# Altium PCB INC-IO1616001.PcbDoc (part 2 of 2)
Units mil, origin at the board's own origin, x right, y up, seen from the top; angles counter-clockwise.
Board outline 4955.49 x 3110.17 mil, 2 copper layers (Top Layer, Bottom Layer); 184 components, 159 nets, 570 pads, 122 vias.
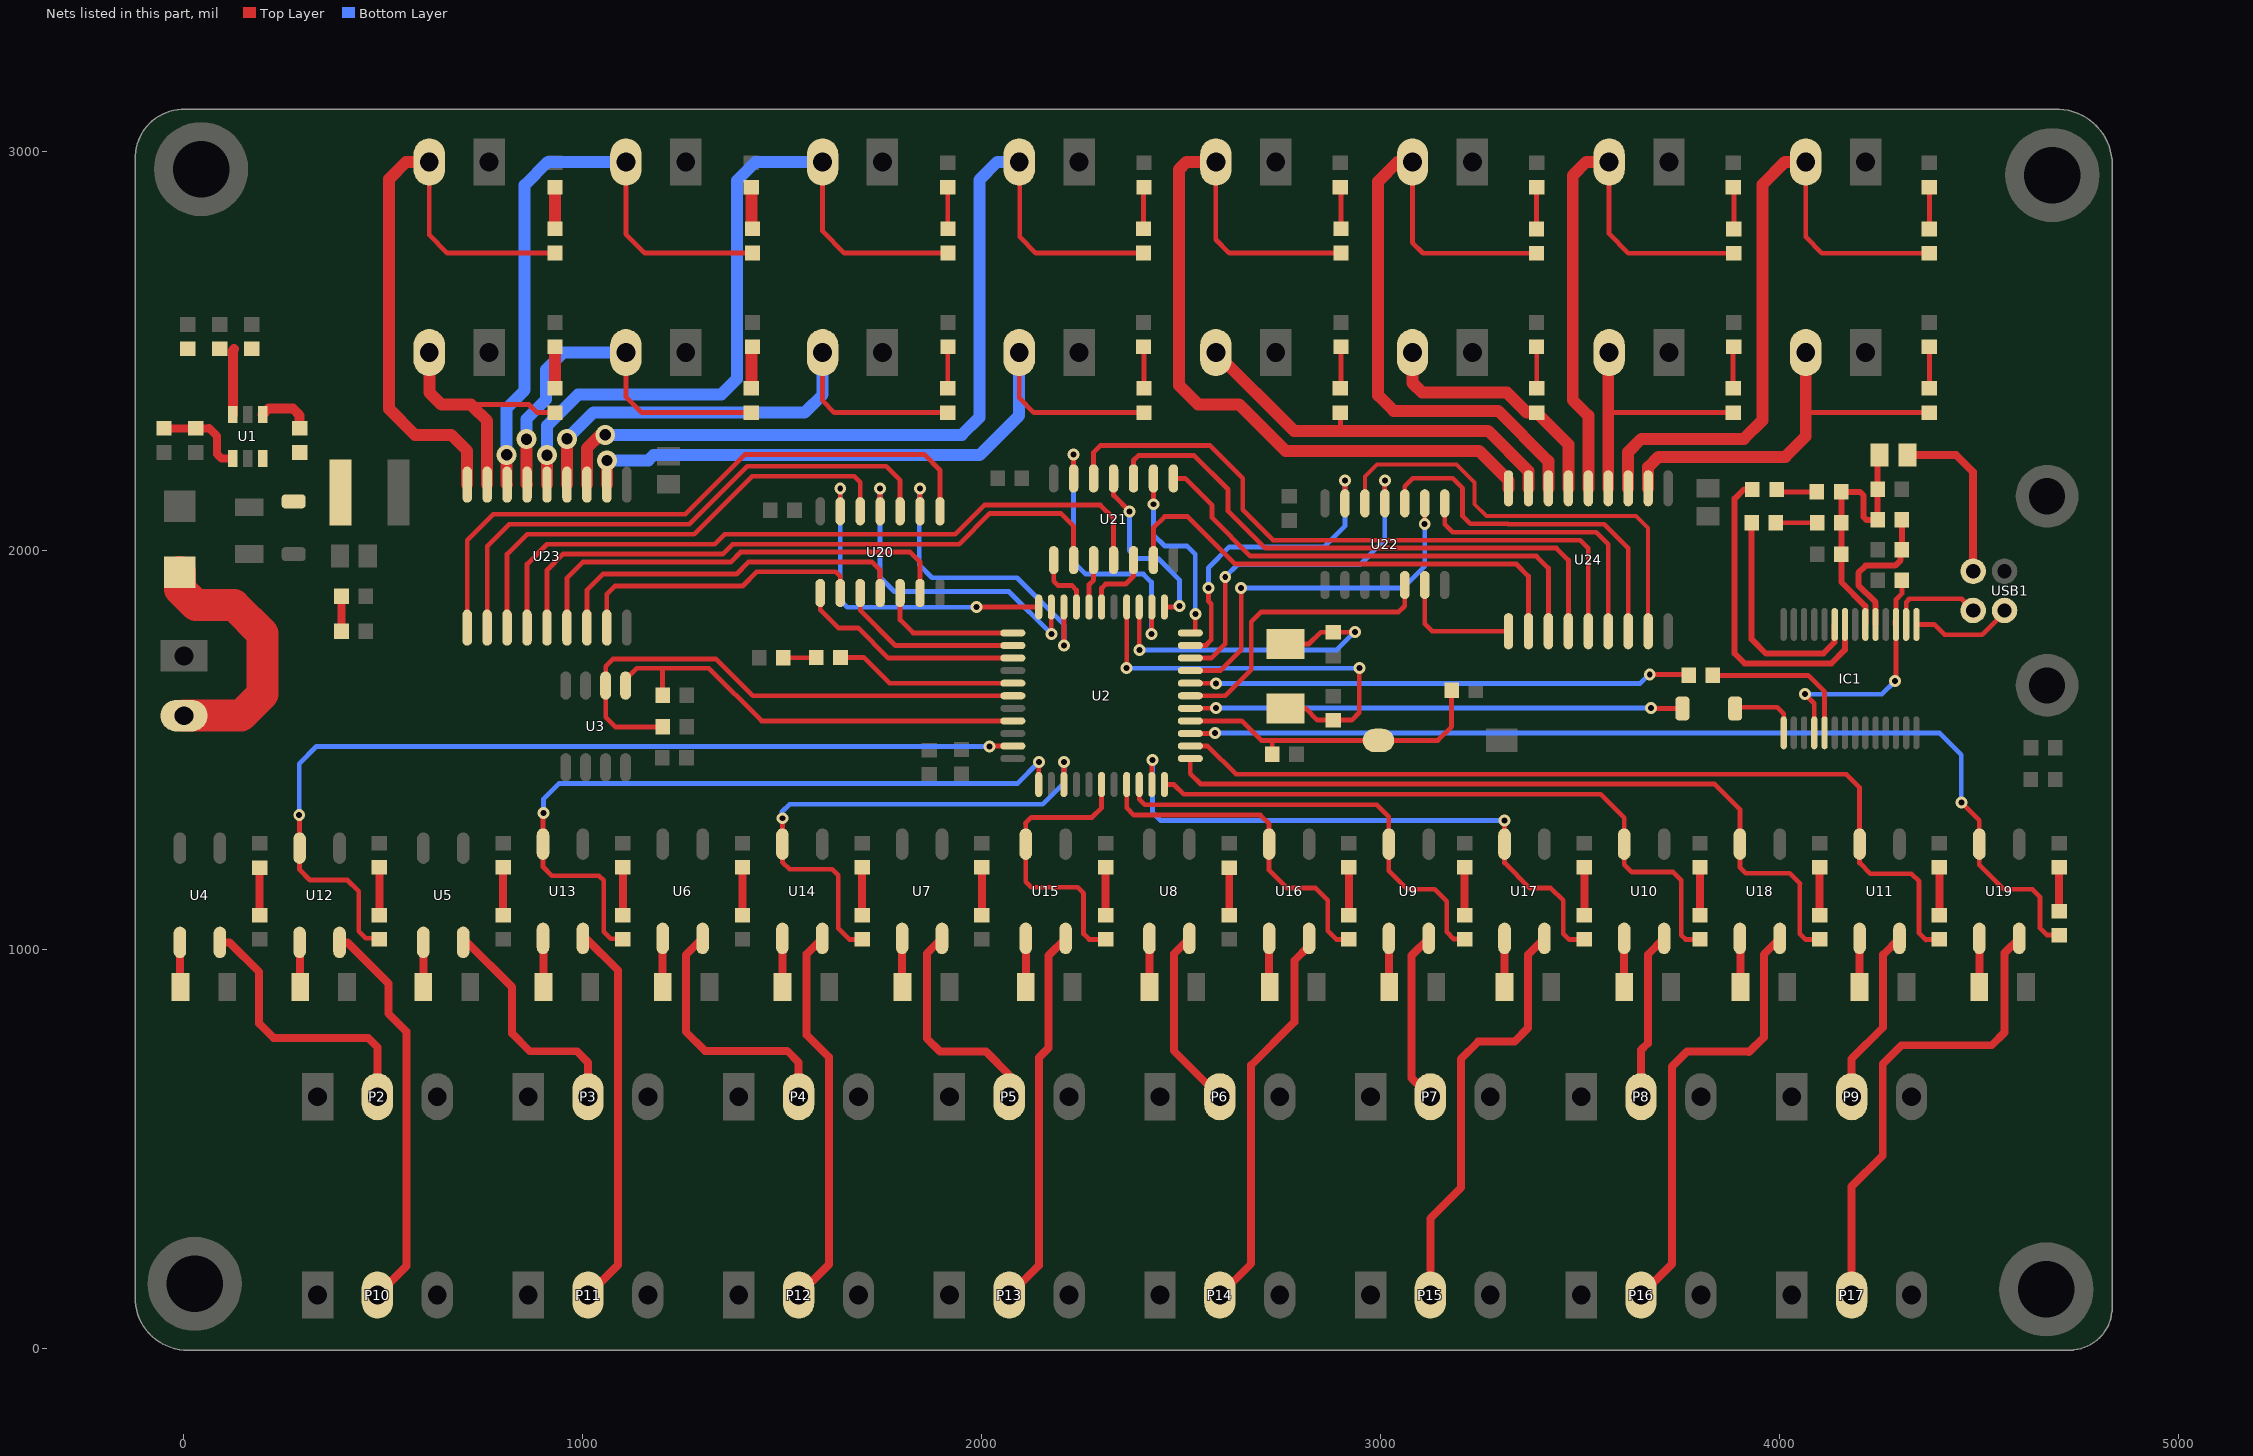
[diagram p2: the nets of this part, all layers, seen from the top]

## Via types
v1: diameter 30, hole 15, Top Layer to Bottom Layer, 94 vias
v2: diameter 50, hole 28, Top Layer to Bottom Layer, 23 vias
v3: diameter 47.24, hole 28, Top Layer to Bottom Layer, 5 vias

## Nets (pads, with @x,y where several pads share a name; then routed paths per layer and width w, separated by ;. In a path a pad name is that pad's centre, name@x,y a point inside that pad or via, vN(x,y) a via of type N, cw(c..) or ccw(c..) an arc to the next point about the centre after c; other vN are vias at no path point) (continued)
IN6: D13.K U2.42 U9.4 | length 1122.6
  Top Layer w12: U2.42@2394.49,1412.56 2394.49,1375.51 2408,1362 2990,1362 3020,1332 U9.4@3020,1263.11 3020,1196 3066,1150 3135,1150 3165,1120 3165,1043 3183,1025 3209.69,1025 D13.K@3210,1024.69
IN7: D14.K U2.44 U10.4 | length 1652.7
  Top Layer w12: U2.44@2457.48,1412.56 2481.44,1412.56 2506,1388 3551,1388 3610,1329 U10.4@3610,1263.11 3610,1212 3629,1193 3733,1193 3753,1173 3753,1035 3763.63,1024.37 D14.K@3800,1024.37
IN8: D15.K U2.2 U11.4 | length 2266.3
  Top Layer w12: U2.2@2522.44,1509.02 2565.98,1509.02 2637,1438 4167,1438 4200,1405 U11.4@4200,1263.11 4200,1216 4227,1189 4330,1189 4349,1170 4349,1040 4366,1023 4367.37,1024.37 D15.K@4400,1024.37
IN9: D16.K U2.32 U12.4 | length 2403.8
  Top Layer w12: v1(289,1336) 290,1335 U12.4@290,1253.11 290,1199 316,1173 410,1173 438,1145 438,1045 456,1027 487.69,1027 D16.K@490,1024.69 ; v1(2019,1508) 2020.02,1509.02 U2.32@2077.56,1509.02
  Bottom Layer w12: v1(289,1336) 289,1464.72 332.28,1508 v1(2019,1508)
IN10: D17.K U2.34 U13.4 | length 1857.8
  Top Layer w12: v1(901,1341) 900,1340 U13.4@900,1263.11 900,1206 922,1184 1040,1184 1052,1172 1052,1044 1070,1026 1098.37,1026 D17.K@1100,1024.37 ; U2.34@2142.52,1412.56 2142.52,1468.52 v1(2143,1469)
  Bottom Layer w12: v1(901,1341) 901,1376 940,1415 2089,1415 v1(2143,1469)
IN11: D18.K U2.36 U14.4 | length 1330.4
  Top Layer w12: v1(1500,1328) U14.4@1500,1263.11 1500,1218 1518,1200 1625,1200 1640,1185 1640,1052 1667.63,1024.37 D18.K@1700,1024.37 ; U2.36@2205.51,1412.56 2205.51,1468.51 v1(2206,1469)
  Bottom Layer w12: v1(1500,1328) 1499,1329 1499,1344 1518,1363 2152,1363 2206,1417 v1(2206,1469)
IN12: D19.K U2.39 U15.4 | length 731.8
  Top Layer w12: U2.39@2300,1412.56 2300,1354 2276,1330 2124,1330 2109,1315 2110,1314 U15.4@2110,1263.11 2110,1169 2124,1155 2240,1155 2255,1140 2255,1038 2268.63,1024.37 D19.K@2310,1024.37
IN13: D20.K U2.41 U16.4 | length 865.2
  Top Layer w12: U2.41@2362.99,1412.56 2362.99,1354.01 2381,1336 2698,1336 2720,1314 U16.4@2720,1263.11 2720,1198 2765,1153 2837,1153 2867,1123 2867,1046 2888.63,1024.37 D20.K@2920,1024.37
IN14: D21.K U2.43 U17.4 | length 1518.9
  Top Layer w12: U2.43@2425.98,1412.56 2425.98,1471.98 v1(2428,1474) ; v1(3310,1322) U17.4@3310,1263.11 3310,1216 3373,1153 3426,1153 3457,1122 3457,1039 3472,1024 3509.63,1024 D21.K@3510,1024.37
  Bottom Layer w12: v1(2428,1474) 2428,1342 2448,1322 v1(3310,1322)
IN15: D22.K U2.1 U18.4 | length 1947.4
  Top Layer w12: U2.1@2522.44,1477.52 2522.44,1439.56 2548,1414 3836,1414 3900,1350 U18.4@3900,1263.11 3900,1205 3915,1190 4025,1190 4051,1164 4050,1163 4050,1039 4065,1024 4065.37,1024.37 D22.K@4100,1024.37
IN16: D23.K U2.3 U19.4 | length 2570.3
  Top Layer w12: U2.3@2522.44,1540.51 2582.51,1540.51 v1(2584,1542) ; v1(4455,1368) 4500,1323 U19.4@4500,1263.11 4500,1211 4561,1150 4633,1150 4653,1130 4652,1129 4652,1053 4670,1035 4699.37,1035 D23.K@4700,1034.37
  Bottom Layer w12: v1(2584,1542) 4400,1542 4455,1487 v1(4455,1368)
INPUT1: P2.2 U4.2 | length 703.5
  Top Layer w20: U4.2@90,1016.89 114.11,1016.89 188,943 188,814 225,777 462,777 485,754 P2.2@485,630
INPUT2: P3.2 U5.2 | length 591.5
  Top Layer w20: U5.2@700,1016.89 710.11,1016.89 822,905 822,789 867,744 985,744 1012.86,716.14 P3.2@1012.86,630
INPUT3: P4.2 U6.2 | length 652.1
  Top Layer w20: U6.2@1300,1026.89 1258,984.89 1258,793 1306,745 1512,745 1540.71,716.29 P4.2@1540.71,630
INPUT4: P5.2 U7.2 | length 565.6
  Top Layer w20: U7.2@1900,1026.89 1862,988.89 1862,776 1895,743 2010,743 2068.57,684.43 P5.2@2068.57,630
INPUT5: P6.2 U8.2 | length 460.9
  Top Layer w20: U8.2@2520,1026.89 2481,987.89 2481,745.43 P6.2@2596.43,630
INPUT6: P7.2 U9.2 | length 434.3
  Top Layer w20: U9.2@3120,1026.89 3077,983.89 3077,677.29 P7.2@3124.29,630
INPUT7: P8.2 U10.2 | length 420.9
  Top Layer w20: P8.2@3652.14,630 3652.14,747.14 3669,764 3669,985.89 U10.2@3710,1026.89
INPUT8: P9.2 U11.2 | length 446.6
  Top Layer w20: P9.2@4180,630 4180,725 4259,804 4259,985.89 U11.2@4300,1026.89
INPUT9: P10.2 U12.2 | length 995.5
  Top Layer w20: U12.2@390,1016.89 410.11,1016.89 513,914 513,838 558,793 558,206 P10.2@485,133
INPUT10: P11.2 U13.2 | length 966.2
  Top Layer w20: U13.2@1000,1026.89 1008.11,1026.89 1088,947 1088,208.14 P11.2@1012.86,133
INPUT11: P12.2 U14.2 | length 964.8
  Top Layer w20: P12.2@1540.71,133 1617,209.29 1617,729 1561,785 1561,987.89 U14.2@1600,1026.89
INPUT12: P13.2 U15.2 | length 952.5
  Top Layer w20: P13.2@2068.57,133 2143,207.43 2143,728 2167,752 2167,983.89 U15.2@2210,1026.89
INPUT13: P14.2 U16.2 | length 986.5
  Top Layer w20: P14.2@2596.43,133 2675,211.57 2675,709 2783,817 2783,971 2820,1008 U16.2@2820,1026.89
INPUT14: P15.2 U17.2 | length 1065.5
  Top Layer w20: P15.2@3124.29,133 3124.29,325.29 3201,402 3201,725 3244,768 3335,768 3369,802 3369,985.89 U17.2@3410,1026.89
INPUT15: P16.2 U18.2 | length 1130.8
  Top Layer w20: P16.2@3652.14,133 3730,210.86 3730,706 3767,743 3922,743 3923,742 3960,779 3960,986.89 U18.2@4000,1026.89
INPUT16: P17.2 U19.2 | length 1200.2
  Top Layer w20: P17.2@4180,133 4180,405 4258,483 4258,712 4305,759 4531,759 4563,791 4563,989.89 U19.2@4600,1026.89
LED: R14.2 U2.27 | length 458.6
  Top Layer w12: R14.2@1645.63,1731 1704,1731 1768.5,1666.5 U2.27@2077.56,1666.5
MCU_RX: D5.1 U2.5 | length 1234.2
  Top Layer w12: U2.5@2522.44,1603.5 2586.5,1603.5 v1(2587,1604) ; v1(3677,1604) 3678,1603 D5.1@3756,1603
  Bottom Layer w12: v1(2587,1604) v1(3677,1604)
MCU_TX: R10.1 U2.7 | length 1259.1
  Top Layer w12: U2.7@2522.44,1666.5 2586.5,1666.5 v1(2587,1666) ; v1(3674,1688) 3769.37,1688 R10.1@3771.37,1686
  Bottom Layer w12: v1(2587,1666) 3650,1666 3672,1688 v1(3674,1688)
NetC1_1: C1.1 D1.2 L1.1 U1.6
NetC1_2: C1.2 U1.1 | length 138.5
  Top Layer w25: U1.1@197.4,2340.12 212.28,2355 273,2355 290,2338 C1.2@290,2305.32
NetC4_1: C4.1 R2.1 R5.2 U1.3 | length 165.3
  Top Layer w25: U1.3@122.6,2340.12 122.6,2500.6 126,2504
NetC5_2: C5.2 C6.2 D4.A D6.A IC1.20 L2.1 R11.2 | length 674.5
  Top Layer w15: IC1.20@4214.39,1813.83 4214.39,1859.61 4154,1920 C5.2@4154,1990 D4.A@4154,2068.5 4154,2147 4155,2146 4201,2146 4210,2137 4210,2083 4217,2076 R11.2@4245.37,2076 4245.37,2233.47 L2.1@4249.9,2238
NetC8_2: C8.2 IC1.19 R11.1 | length 368.5
  Top Layer w15: IC1.19@4239.98,1813.83 4239.98,1869.02 4197,1912 4197,1943 4215,1961 4289,1961 4303,1975 4303,1998 C8.2@4306,2001 R11.1@4306,2076
NetD3_A: D3.A R1.1 | length 87
  Top Layer w20: D3.A@395,1797 R1.1@395,1884
NetD4_K: D4.K R8.2 | length 103.6
  Top Layer w12: R8.2@3990,2069 3990.5,2068.5 D4.K@4093.37,2068.5
NetD5_2: D5.2 IC1.1 | length 177
  Top Layer w12: D5.2@3888,1603 3891,1606 3993,1606 4009.66,1589.34 IC1.1@4009.66,1542.17
NetD6_K: D6.K R9.2 | length 103.5
  Top Layer w12: R9.2@3992,2152 3998,2146 D6.K@4093,2146
NetD7_A: D7.A R14.1 | length 83.1
  Top Layer w12: D7.A@1502.32,1730 1584,1730 R14.1@1585,1731
NetD8_A: D8.A R17.2 | length 119.4
  Top Layer w20: D8.A@190,1085 R17.2@190,1204.37
NetD9_A: D9.A R18.2 | length 120
  Top Layer w20: D9.A@800,1085 R18.2@800,1205
NetD10_A: D10.A R19.2 | length 119.7
  Top Layer w20: D10.A@1400,1085.32 R19.2@1400,1205
NetD11_A: D11.A R20.2 | length 120
  Top Layer w20: D11.A@2000,1085 R20.2@2000,1205
NetD12_A: D12.A R21.2 | length 119.4
  Top Layer w20: D12.A@2620,1085 R21.2@2620,1204.37
NetD13_A: D13.A R22.2 | length 119.7
  Top Layer w20: D13.A@3210,1085.32 R22.2@3210,1205
NetD14_A: D14.A R23.2 | length 120
  Top Layer w20: D14.A@3800,1085 R23.2@3800,1205
NetD15_A: D15.A R24.2 | length 119.7
  Top Layer w20: D15.A@4400,1085 R24.2@4400,1204.68
NetD16_A: D16.A R25.2 | length 119.4
  Top Layer w20: D16.A@490,1085.32 R25.2@490,1204.68
NetD17_A: D17.A R26.2 | length 119.7
  Top Layer w20: D17.A@1100,1085 R26.2@1100,1204.68
NetD18_A: D18.A R27.2 | length 120
  Top Layer w20: D18.A@1700,1085 R27.2@1700,1205
NetD19_A: D19.A R28.2 | length 119.7
  Top Layer w20: D19.A@2310,1085 R28.2@2310,1204.68
NetD20_A: D20.A R29.2 | length 119.7
  Top Layer w20: D20.A@2920,1085 R29.2@2920,1204.68
NetD21_A: D21.A R30.2 | length 120
  Top Layer w20: D21.A@3510,1085 R30.2@3510,1205
NetD22_A: D22.A R31.2 | length 119.7
  Top Layer w20: D22.A@4100,1085 R31.2@4100,1204.68
NetD23_A: D23.A R32.2 | length 110
  Top Layer w20: D23.A@4700,1095 R32.2@4700,1205
NetD24_K: D24.K R6.2 | length 104.7
  Top Layer w30: R6.2@930,2805.32 D24.K@930,2910
NetD25_K: D25.K R7.2 | length 104.7
  Top Layer w30: R7.2@930,2405.32 D25.K@930,2510
NetD26_K: D26.K R49.2 | length 105.9
  Top Layer w30: D26.K@1422.14,2910 1422.14,2808.17 R49.2@1425,2805.32
NetD27_K: D27.K R50.2 | length 105.9
  Top Layer w30: R50.2@1422.14,2405.32 1422.14,2507.14 D27.K@1425,2510
NetD28_K: D28.K R51.2 | length 105
  Top Layer w12: D28.K@1914.29,2910 1914.29,2806.03 R51.2@1915,2805.32
NetD29_K: D29.K R52.2 | length 105
  Top Layer w12: R52.2@1914.29,2405.32 1914.29,2509.29 D29.K@1915,2510
NetD30_K: D30.K R53.2 | length 105.3
  Top Layer w12: R53.2@2405,2805.32 2405,2908.57 D30.K@2406.43,2910
NetD31_K: D31.K R54.2 | length 105.3
  Top Layer w12: D31.K@2405,2510 2406.43,2508.57 R54.2@2406.43,2405.32
NetD32_K: D32.K R55.2 | length 105.3
  Top Layer w12: D32.K@2898.57,2910 2900,2908.57 R55.2@2900,2805.32
NetD33_K: D33.K R56.2 | length 105.3
  Top Layer w12: R56.2@2898.57,2405.32 2900,2406.74 D33.K@2900,2510
NetD34_K: D34.K R57.2 | length 105.3
  Top Layer w12: R57.2@3390,2805 3390,2909.29 D34.K@3390.71,2910
NetD35_K: D35.K R58.2 | length 105
  Top Layer w12: D35.K@3390,2510 3390.71,2509.29 R58.2@3390.71,2405.32
NetD36_K: D36.K R59.2 | length 105.9
  Top Layer w12: D36.K@3882.86,2910 3885,2907.86 R59.2@3885,2805
NetD37_K: D37.K R60.2 | length 105.6
  Top Layer w12: R60.2@3882.86,2405.32 3882.86,2507.86 D37.K@3885,2510
NetD38_K: D38.K R61.2 | length 105
  Top Layer w12: R61.2@4375,2805 D38.K@4375,2910
NetD39_K: D39.K R62.2 | length 104.7
  Top Layer w12: R62.2@4375,2405.32 D39.K@4375,2510
NetIC1_5: IC1.5 R10.2 | length 399.8
  Top Layer w12: R10.2@3832,1686 4071,1686 4112.02,1644.98 IC1.5@4112.02,1542.17
NetIC1_22: IC1.22 R9.1 | length 806.2
  Top Layer w15: R9.1@3931.37,2152 3910,2152 3887,2129 3887,1741 3912,1716 4129,1716 4163,1750 4163,1813.62 IC1.22@4163.2,1813.83
NetIC1_23: IC1.23 R8.1 | length 571.4
  Top Layer w15: R8.1@3929.37,2069 3929.37,1776.63 3965,1741 4109,1741 4137.61,1769.61 IC1.23@4137.61,1813.83
NetR3_2: R3.2 R4.1 U1.4 | length 230.8
  Top Layer w20: R4.1@-50,2305.31 62.31,2305.31 63,2306 83,2286 83,2241 94.12,2229.88 U1.4@122.6,2229.88
NetR33_2: R33.2 U4.1 | length 112.4
  Top Layer w12: R33.2@-10,906.34 R33.2@-8.66,905
  Top Layer w20: R33.2@-10,906.34 U4.1@-10,1016.89
NetR34_2: R34.2 U5.1 | length 111.9
  Top Layer w20: R34.2@600,905 U5.1@600,1016.89
NetR35_2: R35.2 U6.1 | length 121.9
  Top Layer w20: R35.2@1200,905 U6.1@1200,1026.89
NetR36_2: R36.2 U7.1 | length 122.4
  Top Layer w20: U7.1@1800,1026.89 1800,906.34 R36.2@1801.34,905
NetR37_2: R37.2 U8.1 | length 121.9
  Top Layer w20: R37.2@2420,905 U8.1@2420,1026.89
NetR38_2: R38.2 U9.1 | length 122.4
  Top Layer w12: R38.2@3020,906.34 R38.2@3021.34,905
  Top Layer w20: R38.2@3020,906.34 U9.1@3020,1026.89
NetR39_2: R39.2 U10.1 | length 121.9
  Top Layer w20: R39.2@3610,905 U10.1@3610,1026.89
NetR40_2: R40.2 U11.1 | length 121.9
  Top Layer w20: R40.2@4200,905 U11.1@4200,1026.89
NetR41_2: R41.2 U12.1 | length 112.4
  Top Layer w20: U12.1@290,1016.89 291.34,1015.55 R41.2@291.34,905
NetR42_2: R42.2 U13.1 | length 122.4
  Top Layer w20: U13.1@900,1026.89 901.34,1025.55 R42.2@901.34,905
NetR43_2: R43.2 U14.1 | length 121.9
  Top Layer w20: R43.2@1500,905 U14.1@1500,1026.89
NetR44_2: R44.2 U15.1 | length 121.9
  Top Layer w20: R44.2@2110,905 U15.1@2110,1026.89
NetR45_2: R45.2 U16.1 | length 122.4
  Top Layer w20: U16.1@2720,1026.89 2720,906.34 R45.2@2721.34,905
NetR46_2: R46.2 U17.1 | length 121.9
  Top Layer w20: R46.2@3310,905 U17.1@3310,1026.89
NetR47_2: R47.2 U18.1 | length 122.4
  Top Layer w12: U18.1@3900,1026.89 U18.1@3901.34,1025.55
  Top Layer w20: R47.2@3901.34,905 U18.1@3901.34,1025.55
NetR48_2: R48.2 U19.1 | length 121.9
  Top Layer w20: R48.2@4500,905 U19.1@4500,1026.89
O1: U20.8 U23.1 | length 1612.4
  Top Layer w12: U23.1@710,1805.87 710,2025 775,2090 1257,2090 1407,2240 1855,2240 1895,2200 U20.8@1895,2097.36
O2: U20.12 U23.3 | length 1228.8
  Top Layer w12: U23.3@810,1805.87 810,1990 860,2040 1279,2040 1424,2185 1680,2185 1695,2170 U20.12@1695,2097.36
O3: U21.2 U23.5 | length 1621.2
  Top Layer w12: U23.5@910,1805.87 910,1950 950,1990 1350,1990 1375,2015 1943,2015 2020,2092 2198,2092 2230,2060 U21.2@2230,1975
O4: U20.4 U23.7 | length 923.8
  Top Layer w12: U23.7@1010,1805.87 1010,1900 1050,1940 1385,1940 1415,1970 1725,1970 1745,1950 U20.4@1745,1892.64
O5: U22.6 U24.1 | length 315.2
  Top Layer w12: U22.6@3110,1912.64 3110,1815 3128.27,1796.73 U24.1@3320,1796.73
O6: U21.8 U24.3 | length 1209.5
  Top Layer w12: U21.8@2480,2179.72 2509.28,2179.72 2577,2112 2577,2081 2673,1985 3390,1985 3420,1955 U24.3@3420,1796.73
O7: U21.12 U24.5 | length 1673.3
  Top Layer w12: U21.12@2280,2179.72 2280,2245 2297,2262 2572,2262 2654,2180 2654,2101 2730,2025 3500,2025 3520,2005 U24.5@3520,1796.73
O8: U22.10 U24.7 | length 932.7
  Top Layer w12: U22.10@3060,2117.36 3060,2160 3080,2180 3180,2180 3205,2155 3205,2085 3224,2066 3319,2066 3320,2065 3560,2065 3620,2005 U24.7@3620,1796.73
O9: U20.10 U23.2 | length 1414.1
  Top Layer w12: U23.2@760,1805.87 760,2010 815,2065 1267,2065 1412,2210 1760,2210 1795,2175 U20.10@1795,2097.36
O10: U21.4 U23.4 | length 1809.1
  Top Layer w12: U23.4@860,1805.87 860,1965 910,2015 1330,2015 1355,2040 1933,2040 2006,2113 2297,2113 2330,2080 U21.4@2330,1975
O11: U20.6 U23.6 | length 1123.8
  Top Layer w12: U23.6@960,1805.87 960,1930 1000,1970 1370,1970 1395,1995 1820,1995 1845,1970 U20.6@1845,1892.64
O12: U20.2 U23.8 | length 739.2
  Top Layer w12: U23.8@1060,1805.87 1060,1890 1080,1910 1400,1910 1436,1946 1634,1946 1645,1935 U20.2@1645,1892.64
O13: U21.6 U24.2 | length 1232.6
  Top Layer w12: U21.6@2430,1975 2430,2056 2458,2084 2516,2084 2635,1965 3340,1965 3370,1935 U24.2@3370,1796.73
O14: U21.10 U24.4 | length 1458.7
  Top Layer w12: U21.10@2380,2179.72 2380,2225 2392,2237 2532,2237 2617,2152 2617,2098 2710,2005 3440,2005 3470,1975 U24.4@3470,1796.73
O15: U22.8 U24.6 | length 701.3
  Top Layer w12: U22.8@3160,2117.36 3160,2065 3180,2045 3540,2045 3570,2015 U24.6@3570,1796.73
O16: U22.12 U24.8 | length 1146.8
  Top Layer w10: U22.12@2960,2117.36 2960,2185 2990,2215 3190,2215 3235,2170 3235,2115 3265,2085 3640,2085 3670,2055 U24.8@3670,1796.73
OUT1: U2.20 U20.9 | length 824.2
  Top Layer w12: U20.9@1845,2097.36 v1(1845,2155) ; U2.20@2205.51,1857.44 2205.51,1761.49 v1(2206,1761)
  Bottom Layer w12: v1(1845,2155) 1843,2153 1843,1963 1875,1931 2088,1931 2206,1813 v1(2206,1761)
OUT2: U2.22 U20.13 | length 845.6
  Top Layer w12: v1(1645,2155) U20.13@1645,2097.36 U20.13@1647,2099.36 ; v1(1987,1857) 1987.44,1857.44 U2.22@2142.52,1857.44
  Bottom Layer w12: v1(1645,2155) 1645,1875 1663,1857 v1(1987,1857)
OUT3: U2.19 U21.1 | length 161.7
  Top Layer w12: U21.1@2180,1975 2180,1922 2191,1911 2226,1911 2237.01,1899.99 U2.19@2237.01,1857.44
OUT4: U2.24 U20.3 | length 462.7
  Top Layer w12: U20.3@1695,1892.64 1695,1849 1783.02,1760.98 U2.24@2077.56,1760.98
OUT5: U2.6 U22.5 | length 753.7
  Top Layer w12: U2.6@2522.44,1635 2610,1635 2675,1700 2675,1820 2700,1845 3045,1845 3060,1860 U22.5@3060,1912.64
OUT6: U2.11 U21.9 | length 480.3
  Top Layer w12: v1(2430,2115) U21.9@2430,2179.72 ; U2.11@2522.44,1792.48 2535,1792.48 v1(2535,1840)
  Bottom Layer w12: v1@2427,2112 v1(2430,2115) 2430,2039 2459,2010 2515,2010 2535,1990 v1(2535,1840)
OUT7: U2.13 U21.13 | length 743.8
  Top Layer w12: U21.13@2230,2179.72 v1(2230,2240) ; v1(2425,1790) 2425.98,1790.98 U2.13@2425.98,1857.44
  Bottom Layer w12: v1(2230,2240) 2230,1970 2260,1940 2405,1940 2425,1920 v1(2425,1790)
OUT8: U2.9 U22.11 | length 915.4
  Top Layer w12: U2.9@2522.44,1729.49 2574.49,1729.49 2610,1765 v1(2610,1933) ; U22.11@3010,2117.36 v1(3010,2175)
  Bottom Layer w12: v1(2610,1933) 2641,1964 2948,1964 3010,2026 v1(3010,2175)
OUT9: U2.21 U20.11 | length 835.9
  Top Layer w12: U20.11@1745,2097.36 v1(1745,2155) ; v1(2174,1790) U2.21@2174.02,1857.44
  Bottom Layer w12: v1(1745,2155) 1745,1932 1781,1896 2068,1896 v1(2174,1790)
OUT10: U2.18 U21.3 | length 122.3
  Top Layer w12: U2.18@2268.5,1857.44 2268.5,1913.5 2280,1925 U21.3@2280,1975
OUT11: U2.23 U20.5 | length 363.7
  Top Layer w12: U20.5@1795,1892.64 1795,1825 1827.52,1792.48 U2.23@2077.56,1792.48
OUT12: U2.25 U20.1 | length 575.1
  Top Layer w12: U20.1@1595,1892.64 1595,1850 1640,1805 1690,1805 1765.51,1729.49 U2.25@2077.56,1729.49
OUT13: U2.17 U21.5 | length 180
  Top Layer w12: U2.17@2300,1857.44 2300,1905 2310,1915 2360,1915 2380,1935 U21.5@2380,1975
OUT14: U2.12 U21.11 | length 457.1
  Top Layer w12: U21.11@2330,2179.72 2330,2137 v1(2370,2097) ; U2.12@2457.48,1857.44 2492.44,1857.44 v1(2495,1860)
  Bottom Layer w12: v1(2370,2097) 2370,1999 2390,1979 2442,1979 2495,1926 v1(2495,1860)
OUT15: U2.8 U22.9 | length 952.2
  Top Layer w12: U2.8@2522.44,1697.99 2597.99,1697.99 2650,1750 v1(2650,1905) v1@2658,1905 ; v1(3110,2065) U22.9@3110,2117.36
  Bottom Layer w12: v1(2650,1905) 3055,1905 3110,1960 v1(3110,2065)
OUT16: U2.10 U22.13 | length 800
  Top Layer w12: U2.10@2522.44,1760.98 2560.98,1760.98 2575,1775 2575,1865 2568,1872 v1(2568,1905) ; U22.13@2910,2117.36 v1(2910,2175)
  Bottom Layer w12: v1(2568,1905) 2568,1956 2620,2008 2858,2008 2910,2060 v1(2910,2175)
OUTPUT1: P18.2 R6.1 U23.18 | length 1535.9
  Top Layer w12: P18.2@615,2973 615,2790 660.31,2744.69 R6.1@930,2744.69
  Top Layer w30: P18.2@615,2973 557,2973 514,2930 514,2354 579,2289 670,2289 710,2249 U23.18@710,2164.13
OUTPUT2: P19.2 R49.1 U23.16 | length 1565.5
  Top Layer w12: P19.2@1107.86,2973 1107.86,2792.14 1155.31,2744.69 R49.1@1425,2744.69
  Top Layer w30: v2(809,2239) 809,2165.13 U23.16@810,2164.13
  Bottom Layer w30: v2(809,2239) 809,2356 854,2401 854,2915 912,2973 P19.2@1107.86,2973
OUTPUT3: P20.2 R51.1 U23.14 | length 1914.1
  Top Layer w12: P20.2@1600.71,2973 1600.71,2799.29 1655.31,2744.69 R51.1@1915,2744.69
  Top Layer w30: U23.14@910,2164.13 v2(910,2238)
  Bottom Layer w30: v2(910,2238) 910,2312 988,2390 1347,2390 1386,2429 1386,2926 1433,2973 P20.2@1600.71,2973
OUTPUT4: P21.2 R53.1 U23.12 | length 2335.7
  Top Layer w12: P21.2@2093.57,2973 2095,2971.57 2095,2785 2135.31,2744.69 R53.1@2405,2744.69
  Top Layer w30: U23.12@1010,2164.13 1010,2255 1044,2289 v2(1056,2289)
  Bottom Layer w30: v2(1056,2289) 1950,2289 1994,2333 1994,2928 2039,2973 P21.2@2093.57,2973
OUTPUT5: P22.2 R55.1 U24.18 | length 2107.9
  Top Layer w12: P22.2@2586.43,2973 2586.43,2778.57 2620.31,2744.69 R55.1@2900,2744.69
  Top Layer w30: P22.2@2586.43,2973 2513,2973 2494,2954 2494,2413 2542,2365 2645,2365 2761,2249 3246,2249 3320,2175 U24.18@3320,2155
OUTPUT6: P23.2 R57.1 U24.16 | length 1729.8
  Top Layer w12: P23.2@3079.28,2973 3079.28,2770.72 3105.63,2744.37 R57.1@3390,2744.37
  Top Layer w30: P23.2@3079.28,2973 3042,2973 2993,2924 2993,2388 3032,2349 3294,2349 3420,2223 U24.16@3420,2155
OUTPUT7: P24.2 R59.1 U24.14 | length 1418.5
  Top Layer w12: P24.2@3572.14,2973 3572.14,2792.86 3620.63,2744.37 R59.1@3885,2744.37
  Top Layer w30: U24.14@3520,2155 3520,2337 3481,2376 3481,2939 3515,2973 P24.2@3572.14,2973
OUTPUT8: P25.2 R61.1 U24.12 | length 1698.2
  Top Layer w12: P25.2@4065,2973 4065,2785 4105.63,2744.37 R61.1@4375,2744.37
  Top Layer w30: U24.12@3620,2155 3620,2246 3653,2279 3910,2279 3956,2325 3956,2916 4013,2973 P25.2@4065,2973
OUTPUT9: P26.2 R7.1 U23.17 | length 648
  Top Layer w12: 719,2365 864.69,2365 885,2344.69 R7.1@930,2344.69
  Top Layer w30: P26.2@615,2495 615,2395 645,2365 719,2365 ; 723,2361 760,2324 U23.17@760,2164.13
OUTPUT10: P27.2 R50.1 U23.15 | length 968.3
  Top Layer w12: P27.2@1107.86,2495 1107.86,2384.14 1147.31,2344.69 R50.1@1422.14,2344.69
  Top Layer w30: v2(859,2278) 859,2165.13 U23.15@860,2164.13
  Bottom Layer w30: v2(859,2278) 859,2329 908,2378 908,2453 950,2495 P27.2@1107.86,2495
OUTPUT11: P28.2 R52.1 U23.13 | length 1353.3
  Top Layer w12: P28.2@1600.71,2495 1600.71,2374.29 1630.31,2344.69 R52.1@1914.29,2344.69
  Top Layer w30: U23.13@960,2164.13 v2(960,2279)
  Bottom Layer w30: v2(960,2279) 1026,2345 1556,2345 1600.71,2389.71 P28.2@1600.71,2495
OUTPUT12: P29.2 R54.1 U23.11 | length 1740.1
  Top Layer w12: P29.2@2093.57,2495 2093.57,2381.43 2130.31,2344.69 R54.1@2406.43,2344.69
  Top Layer w30: U23.11@1060,2164.13 v2(1060,2225)
  Bottom Layer w30: v2(1060,2225) 1164,2225 1177,2238 1994,2238 2093.57,2337.57 P29.2@2093.57,2495
OUTPUT13: P30.2 R56.1 U24.17 | length 997.9
  Top Layer w12: R56.1@2898.57,2344.69 2898.57,2305.43 2905,2299
  Top Layer w30: P30.2@2586.43,2495 2782.43,2299 2905,2299 3269,2299 3370,2198 U24.17@3370,2155
OUTPUT14: P31.2 R58.1 U24.15 | length 640.7
  Top Layer w30: P31.2@3079.29,2495 3079.29,2419 3103.29,2395 3316,2395 3366.31,2344.69 R58.1@3390.71,2344.69 3470,2265.4 U24.15@3470,2155
OUTPUT15: P32.2 R60.1 U24.13 | length 765.9
  Top Layer w12: 3572.14,2377.86 P32.2@3572.14,2495 ; 3575,2344.69 R60.1@3882.86,2344.69
  Top Layer w30: U24.13@3570,2155 3570,2492.86 P32.2@3572.14,2495
OUTPUT16: P33.2 R62.1 U24.11 | length 996.9
  Top Layer w12: P33.2@4065,2487 P33.2@4065,2495 ; 4068,2344.69 R62.1@4375,2344.69
  Top Layer w30: U24.11@3670,2155 3670,2208 3696,2234 4014,2234 4065,2285 P33.2@4065,2487
RST: C10.1 R13.1 S1.2 U2.4 | length 816.5
  Top Layer w12: U2.4@2522.44,1572.01 2650.99,1572.01 2700,1523 2729,1523 ; R13.1@2728,1488 2728,1522 2729,1523 ; C10.1@3177.37,1649 3177.37,1557.37 3143,1523 S1.2@2994,1523 2729,1523
SCL: R15.1 U2.28 U3.6 | length 1347.1
  Top Layer w12: R15.1@1200,1557 1081,1557 1057,1581 U3.6@1057,1660.36 1057,1709 1075,1727 1334,1727 1426,1635 U2.28@2077.56,1635
SDA: R16.1 U2.30 U3.5 | length 1120.6
  Top Layer w12: U3.5@1107,1660.36 1107,1676 1135,1704 1200,1704 ; R16.1@1199.69,1636 1199.69,1703.69 1200,1704 ; U2.30@2077.56,1572.01 1447.99,1572.01 1316,1704 1200,1704
USB_D+: IC1.15 USB1.3 | length 259.5
  Top Layer w12: IC1.15@4342.34,1813.83 4387.17,1813.83 4413,1788 4507,1788 4563.31,1844.31 USB1.3@4563.31,1848.78
USB_D-: IC1.16 USB1.2 | length 239.3
  Top Layer w12: IC1.16@4316.75,1813.83 4316.75,1869.75 4325,1878 4455.35,1878 USB1.2@4484.57,1848.78
USB_VBUS: L2.2 USB1.1 | length 430.5
  Top Layer w20: L2.2@4319.98,2238 4442,2238 4484.57,2195.43 USB1.1@4484.57,1947.2
VCCIO: C7.2 IC1.4 IC1.17 | length 607.1
  Top Layer w12: v1(4063,1639) 4086.43,1615.57 IC1.4@4086.43,1542.17 ; v1(4289,1672) 4291.16,1674.16 IC1.17@4291.16,1813.83 ; IC1.17@4289,1813.83 4289,1822.84 4291.16,1825 4291.16,1876.16 4306,1891 C7.2@4306,1925
  Bottom Layer w12: v1(4063,1639) 4256,1639 v1(4289,1672)
VIN: D2.1 P1.2 | length 667.3
  Top Layer w80: D2.1@-10,1945 -10,1902 30,1862 126,1862 197,1791 197,1639 143,1585 P1.2@0,1585
XTAL1: C12.1 U2.15 Y1.1 | length 1054.4
  Top Layer w12: v1(2363,1704) 2363,1703.02 U2.15@2362.99,1857.44 ; Y1.1@2761,1603.29 2811.71,1603.29 2841,1574 2927,1574 2946,1593 v1(2946,1704)
  Bottom Layer w12: v1(2363,1704) v1(2946,1704)
XTAL2: C11.1 U2.14 Y1.2 | length 852.8
  Top Layer w12: U2.14@2394.49,1857.44 2394.49,1750.51 v1(2395,1750) ; Y1.2@2761,1764.71 2819.71,1764.71 2849.31,1794.32 C11.1@2881,1794.32 2934.31,1794.32 v1(2935,1795)
  Bottom Layer w12: v1(2395,1750) 2890,1750 v1(2935,1795)
pads on no net: IC1.2 IC1.3 IC1.6 IC1.8 IC1.9 IC1.10 IC1.11 IC1.12 IC1.13 IC1.14 IC1.24 IC1.27 IC1.28 U2.26 U2.29 U22.1 U22.2 U22.3 U22.4

## Polygon pours and split planes (outlines as drawn)
GND on Bottom Layer "Top Layer-No Net" (solid, remove dead copper, pour order 6): -150,3139 4778,3139 4900,3017 4900,1404 4872,1376 4872,47 4780,-45 4199,-45 4189,-35 -87,-35 -198,76 -198,3089 -152,3135
GND on Top Layer "Top Layer-No Net" (solid, remove dead copper, pour order 4): -150,3139 4778,3139 4900,3017 4900,1404 4872,1376 4872,47 4780,-45 4199,-45 4189,-35 -87,-35 -198,76 -198,3089 -152,3135

## Keep-outs
Keep-Out Layer:
  lines w10: -117,117 -117,2988 ; -117,135 ccw(c9,126) 0,0 4735,0 ; -117,2985 cw(c-1,2984) 0,3100 ; -5,3100 4700,3100 ; 4695,3100.13 cw(c4694,2966) 4828,2960 ; 4725,0 ccw(c4726.5,101.5) 4828,100 ; 4828,93 4828,2972

## Other copper
Top Layer:
  rectangle net OUTPUT9: 696,2327 776,2381
  rectangle net +24V: -88,2071 10,2190
  rectangle net NetC4_1: -8,2469 189,2523
  rectangle net +5V: 417,1345 559,1455
  rectangle net +5V: 1351,1321 1435,1411
  rectangle net +5V: 456,1946 581,2232
  rectangle net +24V: 1112,2120 1240,2184
  rectangle net EARTH: 4620,1605 4739,3006
  rectangle net GND: 1101,1761 1299,1844
  rectangle net GND: 3710,1749 3831,1835
  rectangle net GND: 3156,1840 3218,1940
  region net +24V: 13,2204 -1,2190 -32,2190 -52,2170 -52,2111 -23,2082 155,2082 174,2101 171,2104 171,2239 162,2248 152,2248 148,2244 148,2196 130,2178 69,2178 49,2198 49,2256 44,2261 18,2261 18,2258 13,2253
  region net NetC1_1: 395,2250 426,2219 426,2066 418,2058 361,2058 358,2061 256,2061 239,2078 240,2079 240,2162 227,2175 197,2175 186,2186 186,2244 193,2251 270,2251 272,2251
Bottom Layer:
  rectangle net +24V: -88,2065 121,2190
  rectangle net +24V: 627,2658 795,2737
  rectangle net +24V: 4097,2616 4301,2695
  rectangle net +24V: 4176,2438 4251,3036
  rectangle net +24V: 3691,2446 3754,3034
  rectangle net +24V: 3199,2450 3262,3027
  rectangle net +24V: 2700,2445 2783,3026
  rectangle net +24V: 2203,2443 2282,3033
  rectangle net +24V: 1713,2436 1789,3029
  rectangle net +24V: 1220,2434 1297,3029
  rectangle net +5V: 502,1963 564,2160

## Silkscreen, mask and mechanical layers (free items; w line width, h text height)
Top Overlay:
  text "OUT1" at 220,2865 h118.11
  text "-" at 270,2725 h236.22
  text "+" at 370,2705 h236.22
  text "OUT8" at 4470,2695 h98.43
  text "OUT9" at 225,2600 h118.11
  text "-" at 4490,2515 h236.22
  text "+" at 4615,2500 h236.22
  text "OUT16" at 4460,2415 h98.43
  text "-" at 230,1755 h236.22
  text "POWER" at 220,1665 h80
  text "RESET" at 3364,1515 h60
  text "+" at 220,1485 h236.22
  text "20171225" at 3892,1415 h78.74
  text "INC1616001" at 3357,1408 h98.43
  text "IN1" at 35,670 h98.43
  text "IN8" at 4590,650 h98.43
  text "IN" at 35,555 h98.43
  text "-" at 155,535 h236.22
  text "IN" at 4590,535 h98.43
  text "+" at -100,520 h236.22
  text "-" at 4710,515 h236.22
  text "+" at 4455,500 h236.22
  text "IN9" at 35,445 h98.43
  text "IN16" at 4590,425 h98.43
Bottom Overlay:
  text "1" at 2901,1769 h40 r270